# Altium PCB Modbus_PCB1.PcbDoc (part 3 of 3)
Units mm, origin at the board's own origin, x right, y up, seen from the top; angles counter-clockwise.
Board outline 129.7 x 129.9 mm, 4 copper layers (Top Copper, Signal Layer 1, Signal Layer 2, Bottom Copper), stack 1.57 mm thick; 195 components, 139 nets, 570 pads, 260 vias.
Unrouted connection lines stored in the file: 1.
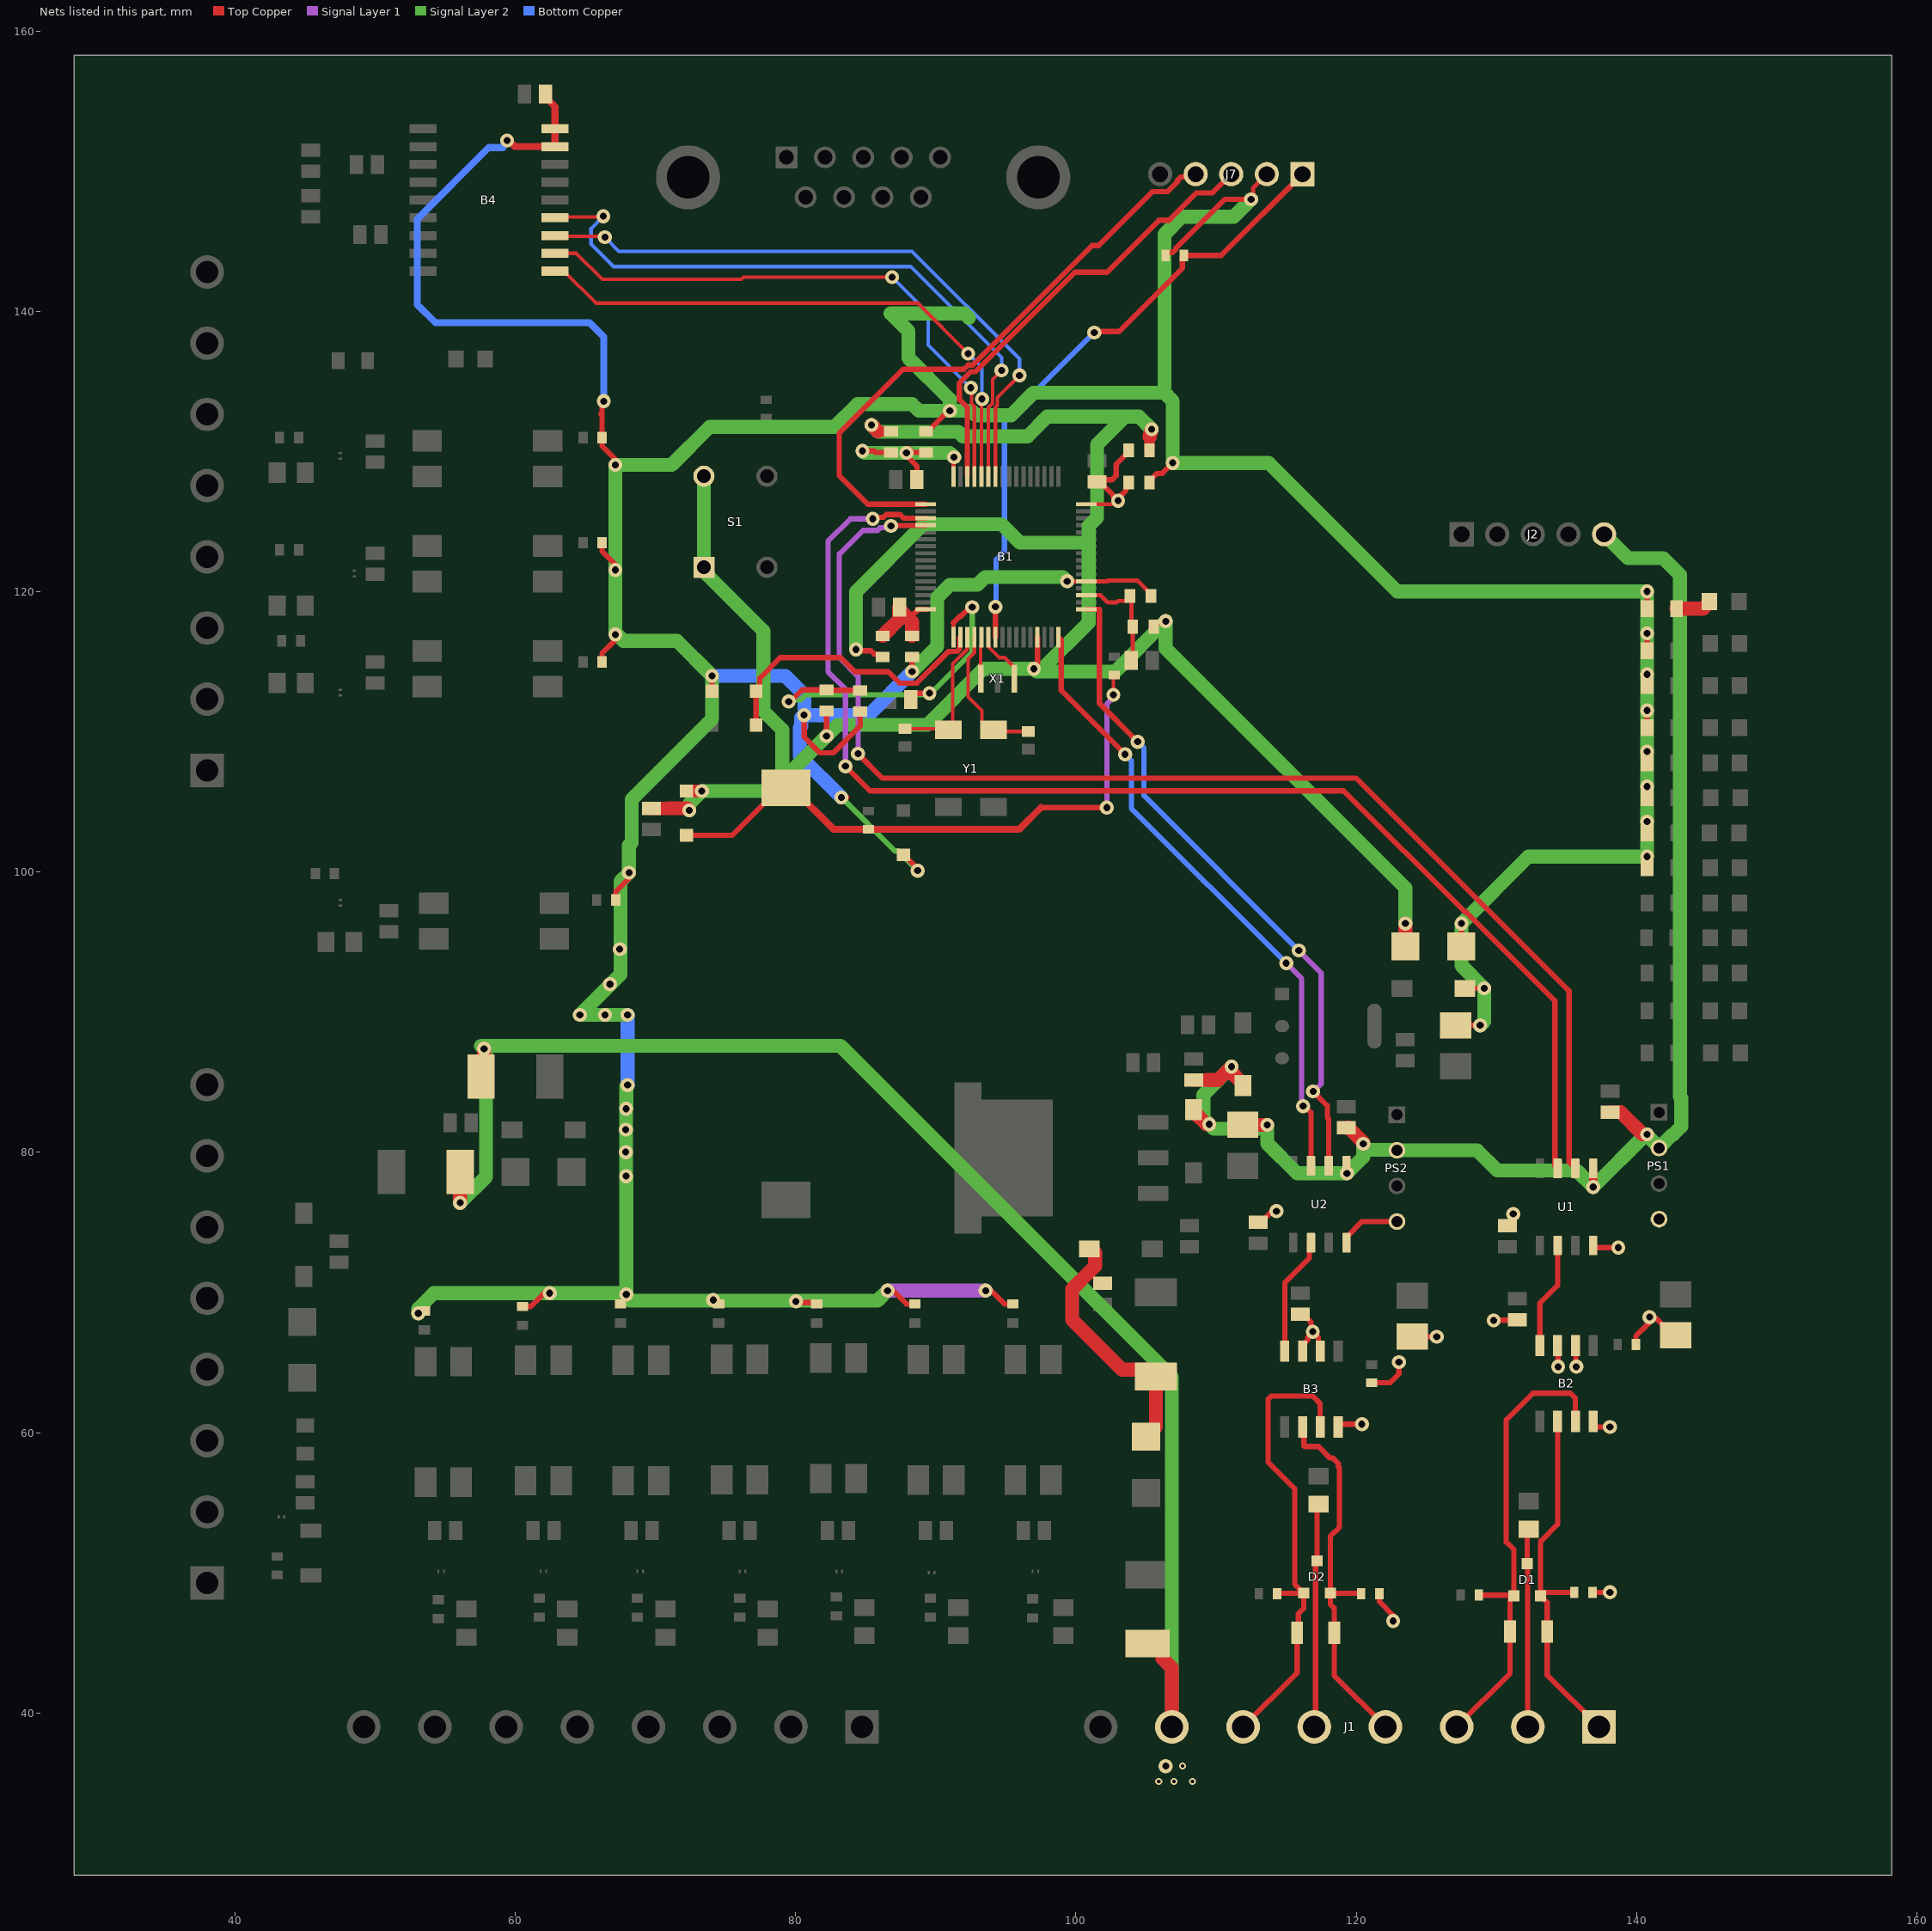
[diagram p5: the nets of this part, all layers, seen from the top]

## Via types
v1: diameter 1, hole 0.5, Top Copper to Bottom Copper, 247 vias
v2: diameter 0.5, hole 0.254, Top Copper to Bottom Copper, 5 vias
v3: diameter 3.2, hole 3.2, Top Copper to Bottom Copper, 4 vias
v4: diameter 5, hole 5, Top Copper to Bottom Copper, 4 vias

## Nets (pads, with @x,y where several pads share a name; then routed paths per layer and width w, separated by ;. In a path a pad name is that pad's centre, name@x,y a point inside that pad or via, vN(x,y) a via of type N, cw(c..) or ccw(c..) an arc to the next point about the centre after c; other vN are vias at no path point) (continued)
NetLED14_2: LED14.2 R72.2 | length 2.6
  Top Copper w1: R72.2@142.85,118.8 144.75,118.8 145.2,119.25 LED14.2@145.2,119.3
NRST: B1.7 J7.1 R57.1 | length 44.7
  Top Copper w0.381: B1.7@94.25,116.762 94.253,116.765 94.253,118.925 v1(94.255,118.927) ; v1(101.3,138.5) 101.372,138.572 103.072,138.572 107.59,143.09 107.59,143.891 R57.1@107.7,144 110.36,144 J7.1@116.16,149.8
  Bottom Copper w0.381: v1(94.255,118.927) 94.3,118.972 94.3,122.3 94.9,122.9 94.9,132.1 v1(101.3,138.5)
OSC32_IN: B1.3 C44.2 Y1.1 | length 10.3
  Top Copper w0.254: C44.2@87.8,110.225 90.825,110.225 Y1.1@90.9,110.15 91.2,110.45 91.2,114.855 92.227,115.882 92.227,116.739 B1.3@92.25,116.762
OSC32_OUT: B1.4 C45.1 Y1.4 | length 10.3
  Top Copper w0.254: B1.4@92.75,116.762 92.75,115.65 92.3,115.2 92.3,112.5 93.277,111.523 93.277,110.673 93.8,110.15 Y1.4@94.1,110.15 94.225,110.025 C45.1@96.6,110.025
OSC_IN: B1.5 X1.1 | length 3
  Top Copper w0.254: X1.1@93.2,113.8 93.2,116.124 93.25,116.174 B1.5@93.25,116.762
OSC_OUT: B1.6 X1.3 | length 4
  Top Copper w0.254: B1.6@93.75,116.762 93.773,116.739 93.773,116.046 94.515,115.304 94.896,115.304 95.6,114.6 X1.3@95.6,113.8
OUTB: B2.4 U1.6 | length 7.7
  Top Copper w0.381: B2.4@133.095,66.212 133.095,69.232 134.365,70.502 U1.6@134.365,73.35
OUTB_1: B3.4 U2.6 | length 8.5
  Top Copper w0.381: B3.4@114.895,65.812 114.895,70.695 116.656,72.456 116.656,73.441 U2.6@116.765,73.55
RS_485_1_A: B3.6 D2.2 J1.4 R9.1 R10.2 | length 27.3
  Top Copper w0.381: B3.6@116.165,60.388 116.269,60.284 116.269,59.054 116.323,59 117.3,59 118.109,58.191 118.311,58.191 118.715,57.786 118.715,57.585 118.8,57.5 118.8,53.252 118.15,52.602 D2.2@118.15,48.555 ; R10.2@120.35,48.5 120.322,48.528 118.178,48.528 D2.2@118.15,48.555 ; J1.4@122.08,39 118.425,42.655 R9.1@118.425,45.7 118.425,47.475 118.15,47.75 D2.2@118.15,48.555
RS_485_1_B: B3.7 D2.1 J1.6 R6.2 R9.2 | length 33.9
  Top Copper w0.381: J1.6@111.92,39 115.775,42.855 R9.2@115.775,45.7 115.869,45.794 115.869,47.071 116.25,47.453 D2.1@116.25,48.555 ; R6.2@114.35,48.5 114.378,48.528 116.223,48.528 D2.1@116.25,48.555 ; B3.7@117.435,60.388 117.417,60.406 117.417,62.082 116.9,62.6 113.923,62.6 113.7,62.377 113.7,57.9 115.6,56 115.6,49.205 D2.1@116.25,48.555
RS_485_1_GND: D2.3 J1.5 R8.1 | length 16
  Top Copper w0.381: J1.5@117,39 117.1,39.1 117.1,50.745 D2.3@117.2,50.845 117.2,54.8 R8.1@117.3,54.9
RS_485_A: B2.6 D1.2 J1.1 R4.1 R5.2 | length 26.5
  Top Copper w0.381: B2.6@134.365,60.788 134.365,53.445 133.15,52.23 D1.2@133.15,48.355 ; R5.2@135.55,48.6 133.395,48.6 D1.2@133.15,48.355 ; J1.1@137.32,39 133.625,42.695 R4.1@133.625,45.8 133.625,47.88 D1.2@133.15,48.355
RS_485_B: B2.7 D1.1 J1.3 R1.2 R4.2 | length 33.9
  Top Copper w0.381: J1.3@127.16,39 130.975,42.815 R4.2@130.975,45.8 130.975,48.08 D1.1@131.25,48.355 131.25,51.65 130.7,52.2 130.7,60.9 132.6,62.8 135.277,62.8 135.635,62.442 B2.7@135.635,60.788 ; R1.2@128.75,48.4 131.05,48.4 131.113,48.338 D1.1@131.113,48.217
RS_485_GND: D1.3 J1.2 R3.1 | length 14.2
  Top Copper w0.381: J1.2@132.24,39 132.22,39.02 132.22,50.625 D1.3@132.2,50.645 132.2,53 R3.1@132.3,53.1
SWCLK: B1.49 J7.4 | length 43.2
  Top Copper w0.381: B1.49@89.262,126.25 85.149,126.25 83.1,128.299 83.1,131.3 87.669,135.869 91.992,135.869 92.306,136.182 92.639,136.182 101.156,144.7 101.6,144.7 105.447,148.547 106.519,148.547 107.253,149.281 107.253,149.375 107.476,149.598 108.338,149.598 J7.4@108.54,149.8
SWDIO: B1.46 J7.3 | length 32.5
  Top Copper w0.381: B1.46@92.25,128.238 92.25,133.16 91.68,133.73 91.68,134.892 92.5,135.713 92.833,135.713 99.932,142.811 102.216,142.811 105.922,146.517 106.653,146.517 108.605,148.47 109.75,148.47 J7.3@111.08,149.8
UART_232_CTS: B1.44 B4.10 | length 41.1
  Top Copper w0.254: B4.10@62.824,142.88 63.461,142.88 65.741,140.6 88.7,140.6 v1(92.3,137) ; B1.44@93.25,128.238 93.25,133.712 v1(93.294,133.756)
  Bottom Copper w0.254: v1(92.3,137) 93.294,136.006 v1(93.294,133.756)
UART_232_RTS: B1.45 B4.11 | length 41.5
  Top Copper w0.254: B4.11@62.824,144.15 64.35,144.15 66.2,142.3 76.123,142.3 76.275,142.453 v1(86.873,142.453) ; v1(92.497,134.553) 92.54,134.51 92.54,133.444 92.75,133.234 B1.45@92.75,128.238
  Bottom Copper w0.254: v1(86.873,142.453) 89.449,139.877 89.449,137.602 v1(92.497,134.553)
UART_232_RXD: B1.43 B4.13 | length 47.4
  Top Copper w0.254: B4.13@62.824,146.69 62.879,146.745 66.22,146.745 v1(66.275,146.8) ; B1.43@93.75,128.238 93.75,133.146 94.048,133.444 94.048,135.159 v1(94.687,135.799)
  Bottom Copper w0.254: v1(66.275,146.8) 65.4,145.925 65.4,144.8 66.993,143.207 88.193,143.207 94.687,136.713 v1(94.687,135.799)
UART_232_TXD: B1.42 B4.12 | length 45.9
  Top Copper w0.254: B4.12@62.824,145.42 62.884,145.36 66.325,145.36 v1(66.385,145.3) ; B1.42@94.25,128.238 94.25,133.161 94.391,133.302 94.391,133.863 v1(95.967,135.439)
  Bottom Copper w0.254: v1(66.385,145.3) 67.385,144.3 88.3,144.3 95.967,136.633 95.967,136.132 v1(95.967,135.439)
UART_485_1_RX: B1.17 U2.2 | length 47.9
  Top Copper w0.381: B1.17@100.738,118.75 101.666,118.75 101.666,112.034 v1(104.4,109.3) ; v1(116.918,84.346) 117.934,83.33 117.934,82.489 118.035,82.388 U2.2@118.035,79.05
  Signal Layer 1 w0.381: v1(115.9,94.4) 117.5,92.8 117.5,84.879 116.967,84.346 v1(116.918,84.346)
  Bottom Copper w0.381: v1(104.4,109.3) 104.85,108.85 104.85,105.45 v1(115.9,94.4)
UART_485_1_TX: B1.16 U2.3 | length 45.2
  Top Copper w0.381: B1.16@98.75,116.762 98.941,116.571 98.941,112.963 v1(103.502,108.402) ; v1(116.203,83.297) 116.303,83.297 116.765,82.835 U2.3@116.765,79.05
  Signal Layer 1 w0.381: v1(115.002,93.502) 116.101,92.403 116.101,83.399 v1(116.203,83.297)
  Bottom Copper w0.381: v1(103.502,108.402) 103.952,107.952 103.952,104.552 v1(115.002,93.502)
UART_485_RX: B1.52 U1.2 | length 92.4
  Top Copper w0.381: v1(84.448,108.448) 86.198,106.698 119.998,106.698 135.182,91.514 135.182,79.302 U1.2@135.635,78.85 ; v1(86.803,124.697) 86.83,124.723 89.235,124.723 B1.52@89.262,124.75
  Signal Layer 1 w0.381: v1(84.448,108.448) 84.448,113.952 83.109,115.291 83.109,122.687 84.805,124.382 85.839,124.382 86.035,124.578 86.685,124.578 v1(86.803,124.697)
UART_485_TX: B1.51 U1.3 | length 94
  Top Copper w0.381: v1(83.55,107.55) 85.3,105.8 119.1,105.8 127.755,97.145 127.839,97.145 134.174,90.809 134.174,79.04 U1.3@134.365,78.85 ; v1(85.5,125.2) 85.618,125.318 86.268,125.318 86.464,125.514 87.458,125.514 87.722,125.25 B1.51@89.262,125.25
  Signal Layer 1 w0.381: v1(83.55,107.55) 83.55,113.054 82.302,114.302 82.302,123.598 83.904,125.2 v1(85.5,125.2)
VBAT: B17.1 D18.1 R46.1 R73.1 | length 42.9
  Top Copper w0.254: v1(102.667,112.649) 102.667,114.006 R73.1@102.718,114.056
  Top Copper w0.381: D18.1@72.2,102.625 75.475,102.625 78.85,106 B17.1@79.3,106 ; 97.5,104.6 v1(102.2,104.6)
  Top Copper w0.5: B17.1@79.3,106 79.75,106 82.7,103.05 R46.1@85.2,103.05 95.95,103.05 97.5,104.6
  Signal Layer 1 w0.254: v1@102.667,112.447 v1(102.667,112.649)
  Signal Layer 1 w0.382: v1(102.2,104.6) 102.2,111.98 v1@102.667,112.447
VCC3V3: B1.21 B4.17 B4.18 C11.2 C34.1 D19.2 D20.1 D22.1 FB6.2 J7.2 R13.2 R16.2 R18.2 R20.2 R22.2 R24.2 R26.2 R28.2 R30.2 R32.2 R34.2 R47.1 R48.1 R49.1 R53.1 R54.1 R57.2 R65.1 R66.1 R67.1 R68.1 R69.1 R70.1 R71.1 R72.1 | length 431.2
  Top Copper w0.3: v1@99.796,120.75 102.233,120.75 102.28,120.797 104.378,120.797 104.425,120.75 105.35,119.825 R53.1@105.35,119.7 ; v1(112.5,148) 112.634,148.134 112.634,148.814 J7.2@113.62,149.8
  Top Copper w0.381: v1(53.069,68.513) 53.233,68.677 R24.2@53.5,68.677 ; R20.2@60.5,69 61.094,69 62.043,69.949 v1(62.448,69.949) ; R30.2@66.177,115 66.177,115.594 67.126,116.543 v1(67.126,116.948) ; R34.2@66.177,123.5 66.177,122.906 67.126,121.957 v1(67.126,121.552) ; v1(66.3,133.6) 66.182,133.482 66.182,132.782 66.1,132.7 66.177,132.623 R32.2@66.177,131 66.177,130.406 67.126,129.457 v1(67.126,129.052) ; R28.2@67.155,98 67.155,98.594 68.104,99.543 v1(68.104,99.948) ; R18.2@67.5,69.177 67.577,69.177 67.716,69.316 67.716,69.495 67.915,69.695 v1(67.915,69.862) ; D20.1@74.025,112.9 v1(74.025,114.002) ; R13.2@74.1,69.4 74.1,69.5 74.115,69.485 v1(74.115,69.462) ; v1(80.015,69.362) 80.108,69.27 81.407,69.27 R26.2@81.5,69.177 ; v1(80.6,111.2) 80.6,109.616 81.707,108.51 82.693,108.51 84.6,110.416 R47.1@84.6,111.45 ; v1(83.258,105.326) v1@83.65,105.326 ; v1(86.552,70.126) 86.957,70.126 87.906,69.177 R22.2@88.5,69.177 ; D22.1@87.7,101.225 87.725,101.225 88.7,100.25 v1(88.7,100.1) ; v1(88.3,114.3) R49.1@88.3,115.35 ; R54.1@89.3,131.45 89.425,131.45 90.886,132.911 v1(91,132.911) ; v1(93.552,70.126) 93.957,70.126 94.906,69.177 R16.2@95.5,69.177 ; v1(99.374,120.75) v1@99.796,120.75 ; R48.1@105.25,127.8 105.25,127.925 105.767,128.442 106.142,128.442 v1(106.9,129.2) ; R57.2@106.4,144 106.4,144.1 106.509,144.21 106.897,144.21 107.121,144.433 107.121,144.516 110.605,148 v1(112.5,148) ; C34.1@127.1,89.06 v1(128.842,89.06) ; D19.2@127.5,94.7 v1(127.5,96.327) ; FB6.2@127.75,91.7 v1(129.127,91.7) ; R65.1@140.75,100.3 v1(140.75,101.103) ; R66.1@140.75,102.8 v1(140.75,103.603) ; R67.1@140.75,105.3 v1(140.75,106.103) ; R68.1@140.75,107.8 v1(140.75,108.603) ; R69.1@140.75,110.3 v1(140.75,111.527) ; R70.1@140.75,113.3 v1(140.75,114.103) ; R71.1@140.75,115.8 v1(140.75,117.027) ; R72.1@140.75,118.8 v1(140.75,120.027)
  Top Copper w0.5: v1(59.4,152.2) 59.535,152.2 59.965,151.77 B4.17@62.824,151.77 B4.18@62.824,153.04 62.824,154.626 62.15,155.3 C11.2@62.15,155.5
  Signal Layer 1 w1: v1(86.552,70.126) v1(93.552,70.126)
  Signal Layer 2 w0.381: v1(83.258,105.326) 87.083,101.5 87.3,101.5 v1(88.7,100.1)
  Signal Layer 2 w1: v1(53.069,68.513) 53.069,68.841 54.177,69.949 v1(62.448,69.949) 67.62,69.949 68.156,69.413 85.839,69.413 v1(86.552,70.126) ; v1(67.915,69.862) 67.915,78.285 v1(67.9,78.3) v1(67.9,83.1) 67.915,83.115 67.915,84.715 v1(68,84.8) ; v1(68,89.8) v1(66.4,89.8) v1(64.6,89.8) 67.5,92.7 67.5,99.344 v1(68.104,99.948) 68.104,101.904 68.3,102.1 68.3,105.189 74.025,110.914 v1(74.025,114.002) 71.527,116.5 67.711,116.5 67.126,117.086 v1(67.126,121.552) v1(67.126,129.052) 71.152,129.052 73.864,131.764 82.764,131.764 84.4,133.4 88.3,133.4 88.789,132.911 v1(91,132.911) ; v1(88.3,114.3) 90.1,116.1 90.1,119.594 91.002,120.496 92.967,120.496 93.525,121.054 99.069,121.054 v1(99.374,120.75) ; 92.351,139.561 92.047,139.866 86.77,139.866 88.04,138.596 88.04,136.686 91,133.726 v1(91,132.911) ; v1(112.5,148) 111.257,146.757 107.557,146.757 106.314,145.514 106.314,134.2 ; v1(128.842,89.06) 129.127,89.345 v1(129.127,91.7) 127.5,93.327 v1(127.5,96.327) 132.276,101.103 v1(140.75,101.103) v1(140.75,103.603) v1(140.75,106.103) v1(140.75,108.603) v1(140.75,111.527) v1(140.75,114.103) v1(140.75,117.027) v1(140.75,120.027) 122.92,120.027 113.747,129.2 v1(106.9,129.2) 106.9,133.614 106.314,134.2 ; v1(91,132.911) 92.546,132.911 92.857,132.6 95.365,132.6 96.965,134.2 106.314,134.2
  Bottom Copper w0.5: v1(59.4,152.2) 59.4,152.065 59.107,151.772 59.107,151.7 58.1,151.7 53,146.6 53,140.5 54.3,139.2 65.3,139.2 66.3,138.2 v1(66.3,133.6)
  Bottom Copper w1: v1(68,84.8) v1(68,89.8) ; v1(74.025,114.002) 79.258,114.002 80.627,112.633 80.627,111.227 v1(80.6,111.2) ; v1(83.258,105.326) 80.3,108.283 80.3,110.3 80.4,110.4 80.4,111 v1(80.6,111.2) ; v1(88.3,114.3) 85.2,111.2 v1(80.6,111.2)
  other v1: 67.873,80.013 67.873,81.613 66.745,91.998 67.445,94.498
VCC3V3_MCU: B1.13 C38.2 D18.2 D19.1 R50.1 R51.1 R52.1 R55.1 R56.1 S1.1 S1.2 | length 173.6
  Top Copper w0.381: v1(82.2,109.7) R50.1@82.2,111.5 ; v1(84.3,115.886) 84.396,115.791 85.371,115.791 85.562,115.6 85.571,115.6 85.637,115.534 86.016,115.534 R52.1@86.2,115.35 ; R55.1@105.55,117.5 105.55,117.597 105.735,117.782 106.282,117.782 v1(106.4,117.9)
  Top Copper w0.382: v1(97,114.5) 97,114.667 97.25,114.917 B1.13@97.25,116.762
  Top Copper w0.75: 85.856,131.45 R56.1@86.8,131.45 ; R51.1@105.25,130.1 105.25,131.044
  Top Copper w0.9: D18.2@72.2,105.775 v1(73.302,105.775)
  Top Copper w0.95: C38.2@69.7,104.55 70.881,104.55
  Top Copper w1: 70.881,104.55 72.25,104.55 v1(72.4,104.4) ; v1(85.4,131.9) 85.406,131.9 85.856,131.45 ; 105.25,131.044 v1(105.4,131.6) ; D19.1@123.5,94.7 v1(123.5,96.327)
  Signal Layer 2 w1: v1(72.4,104.4) 72.4,104.873 v1(73.302,105.775) 77.875,105.775 79.05,106.95 ; S1.2@73.45,128.25 S1.1@73.45,121.75 73.45,121.613 73.704,121.359 73.704,121.196 77.7,117.2 77.7,111.5 79.05,110.15 79.05,106.95 ; v1(84.3,115.886) 84.3,120 89.127,124.827 94.673,124.827 96,123.5 100.9,123.5 ; v1(85.4,131.9) 85.889,131.411 91.61,131.411 91.921,131.1 96.551,131.1 97.951,132.5 103.5,132.5 ; v1@97.2,114.3 102.8,114.3 v1(106.4,117.9) 106.4,115.963 123.5,98.864 v1(123.5,96.327) ; v1(105.4,131.6) 104.5,132.5 103.5,132.5 ; 79.05,106.95 79.45,106.95 v1(82.2,109.7) 83,110.5 89.4,110.5 93.4,114.5 v1(97,114.5) 97.6,114.5 100.9,117.8 100.9,123.5 ; 100.9,123.5 100.9,124.7 101.5,125.3 101.5,130.5 103.5,132.5
VCC5: C3.2 C7.2 C29.1 C35.2 FB1.2 FB5.1 J2.5 PS1.2 PS2.2 U1.1 U2.1 | length 107.1
  Top Copper w0.6: U2.1@119.305,79.05 119.305,78.53 v1(119.335,78.5) ; v1(136.905,77.523) U1.1@136.905,78.85
  Top Copper w0.95: C35.2@108.4,85.15 109.358,85.15 ; C3.2@138.1,82.85 138.871,82.85
  Top Copper w1: FB1.2@108.4,83.05 108.4,82.9 109.3,82 v1(109.5,82) ; 109.358,85.15 110.14,85.15 v1(111.101,86.111) 111.101,85.699 111.8,85 111.8,84.85 FB5.1@111.9,84.75 ; C29.1@111.9,81.96 v1(113.642,81.96) ; C7.2@119.3,81.75 119.45,81.75 120.5,80.7 v1(120.5,80.6) ; 138.871,82.85 140.441,81.28 v1(140.755,81.28)
  Signal Layer 2 w1: v1(111.101,86.111) 109.086,84.096 109.086,82.414 109.827,81.673 113.355,81.673 v1(113.642,81.96) 113.642,80.636 115.778,78.5 v1(119.335,78.5) 120.5,79.665 v1(120.5,80.6) ; 120.924,80.176 122.864,80.176 PS2.2@122.9,80.14 128.62,80.14 130.06,78.7 135.728,78.7 v1(136.905,77.523) 140.662,81.28 v1(140.755,81.28) 140.755,81.206 141.6,80.361 PS1.2@141.6,80.31 ; J2.5@137.68,124.1 139.38,122.4 141.9,122.4 143.1,121.2 143.1,83.954 143.195,83.859 143.195,81.841 142.609,81.255 142.545,81.255 PS1.2@141.636,80.346
VCC5_ISO1: B2.2 B2.3 B2.8 C1.2 C2.1 C4.2 PS1.4 R2.2 R5.1 U1.8 | length 15.3
  Top Copper w0.381: v1(129.8,68) 129.825,68.025 131.475,68.025 C4.2@131.5,68.05 ; C1.2@130.8,74.75 130.916,74.75 131.2,75.034 v1(131.2,75.6) ; B2.3@134.365,66.212 134.383,66.194 134.383,64.718 v1(134.4,64.7) ; B2.2@135.635,66.212 135.667,66.179 135.667,64.733 v1(135.7,64.7) ; R5.1@136.85,48.6 v1(138.1,48.6) ; B2.8@136.905,60.788 136.905,60.534 137.04,60.4 v1(138.1,60.4) ; U1.8@136.905,73.35 136.905,73.309 137.015,73.2 v1(138.7,73.2) ; R2.2@139.95,66.3 139.95,66.875 140.926,67.85 v1(140.926,68.242) 141.044,68.124 141.436,68.124 142.62,66.94 C2.1@142.8,66.94
VCC5_ISO2: B3.2 B3.3 B3.8 C5.2 C6.1 C8.2 PS2.4 R7.2 R10.1 U2.8 | length 20.1
  Top Copper w0.381: C5.2@113,75 113.2,75 113.882,75.682 114.182,75.682 v1(114.3,75.8) ; C8.2@116,68.45 116.2,68.45 116.782,67.868 116.782,67.318 v1(116.9,67.2) ; B3.3@116.165,65.812 116.165,66.249 116.539,66.623 116.539,66.811 116.9,67.173 v1(116.9,67.2) ; B3.2@117.435,65.812 117.301,65.947 117.301,66.799 v1(116.9,67.2) ; B3.8@118.705,60.388 118.705,60.466 118.84,60.6 v1(120.4,60.6) ; U2.8@119.305,73.533 U2.8@119.305,73.55 119.305,73.95 120.415,75.06 PS2.4@122.9,75.06 ; R7.2@121.1,63.55 122.413,63.55 123.042,64.18 v1(123.042,65.024) ; R10.1@121.65,48.5 121.65,47.925 122.626,46.95 v1(122.626,46.558) ; C6.1@124,66.84 v1(125.742,66.84)
VCC12: F1.1 F2.1 F3.1 J1.7 | length 107.5
  Top Copper w1: v1(56.051,76.398) F1.1@56.051,78.6 ; F2.1@57.549,85.4 57.758,85.609 v1(57.758,87.393) ; F3.1@105.1,44.949 105.697,44.949 106.175,44.471 106.175,43.874 106.84,43.209 J1.7@106.84,39
  Signal Layer 2 w1: v1(56.051,76.398) 57.9,78.247 57.9,87.251 57.549,87.602 83.198,87.602 106.84,63.96 J1.7@106.84,39
  other v1: 106.4,36.2
  other v2: 105.9,35.1 107,35.1 108.3,35.1 107.6,36.2
VCC12_FUSED: C30.2 C31.2 D17.1 FB2.1 | length 19.6
  Top Copper w0.254: 100.939,71.461 100.939,71.411 101.7,70.65 C31.2@101.9,70.65
  Top Copper w1: FB2.1@100.95,73.1 101.1,73.1 101.368,72.832 101.368,71.889 100.939,71.461 99.725,70.246 99.725,68.054 103.279,64.5 105.2,64.5 C30.2@105.7,64 105.7,60.4 D17.1@105,59.7
VDD1: B1.1 C39.2 R47.2 R50.2 | length 27.9
  Top Copper w0.3: B1.1@91.25,116.762 91.25,117.782
  Top Copper w0.381: v1(79.5,112.166) 79.618,112.166 80.451,113 81.891,113 82.075,113.184 82.2,113.184 82.41,112.975 84.575,112.975 R47.2@84.6,112.95 ; C39.2@88.2,112.3 88.2,112.476 88.485,112.761 v1(89.539,112.761) ; 91.25,117.782 91.71,118.243 91.775,118.243 92.432,118.9 v1(92.6,118.9)
  Signal Layer 2 w0.381: v1(79.5,112.166) 79.618,112.285 80.364,112.285 80.729,112.649 89.428,112.649 v1(89.539,112.761) ; v1@89.55,112.649 92.6,115.7 v1(92.6,118.9)
VDD2: B1.19 C40.2 R53.2 R55.2 | length 8.3
  Top Copper w0.3: B1.19@100.738,119.75 101.751,119.75 102.259,119.243 102.888,119.243 102.995,119.35 103.625,119.35 103.85,119.575 R53.2@103.85,119.7 103.95,119.6 103.95,117.6 R55.2@104.05,117.5 104.05,115.2 C40.2@103.95,115.1
VDD3: B1.32 C41.2 R48.2 R51.2 | length 9.7
  Top Copper w0.254: B1.32@100.738,126.25 102.548,126.25 102.798,126.5 v1(103,126.5)
  Top Copper w0.381: C41.2@101.5,127.85 C41.2@101.7,127.85 ; v1@102.633,126.8 v1@102.75,126.8 ; R48.2@103.75,127.8 103.566,127.615 103.566,127.233 103,126.668 v1(103,126.5) 103,126.55 v1@102.75,126.8 ; R51.2@103.75,130.1 103.75,129.975 102.866,129.091 102.866,128.289 102.577,128 101.85,128 C41.2@101.7,127.85 ; C41.2@101.7,127.85 102.254,127.296 102.254,127.292 102.464,127.082 102.468,127.082 v1@102.75,126.8
VDD4: B1.64 C43.2 R49.2 R52.2 | length 6.5
  Top Copper w0.381: 88.3,117.85 88.3,118.294 88.756,118.75 B1.64@89.262,118.75
  Top Copper w1: R52.2@86.2,116.85 87.375,118.025 C43.2@87.375,118.775 ; C43.2@87.4,118.9 87.375,118.875 C43.2@87.375,118.775 ; R49.2@88.3,116.85 88.3,117.85 C43.2@87.375,118.775
VDDIO: B1.48 C42.2 R54.2 R56.2 | length 14.2
  Top Copper w0.3: B1.48@91.25,128.238 91.25,129.55 v1(91.3,129.6)
  Top Copper w0.381: v1(84.758,130.048) 85.588,130.048 85.686,129.95 R56.2@86.8,129.95 ; C42.2@88.65,128 88.65,128.963 87.9,129.713 87.9,130.217 88.068,130.217 88.335,129.95 R54.2@89.3,129.95
  Signal Layer 2 w1: v1(84.758,130.048) 84.895,129.911 90.989,129.911 v1(91.3,129.6)
  other v1: 87.9,129.911
WakeUP: B1.2 D20.2 D21.2 | length 20.9
  Top Copper w0.381: D21.2@77.175,110.5 D20.2@77.175,112.9 77.434,113.159 77.434,113.835 78.9,115.3 83.202,115.3 84.218,114.284 86.616,114.284 87.418,113.482 88.639,113.482 90.901,115.745 91.516,115.745 91.679,115.909 91.679,116.016 91.71,116.046 91.71,116.721 B1.2@91.75,116.762
pads on no net: B1.9 B1.10 B1.11 B1.50 B1.53 B1.58 B1.59 B1.60 B1.61 B1.62 B16.5 B16.6 J3.7 J3.8 J4.8 J6.MH1 J6.MH2 Y1.2 Y1.3
copper on no net:
  other v3: 122.6,123.6 144.6,123.6 122.6,153.6 144.6,153.6
  other v4: 33.3,33.4 153.3,33.4 33.3,153.4 153.4,153.4

## Polygon pours and split planes (outlines as drawn)
GND on Signal Layer 1 "GND_L02_P037" (solid, remove dead copper, pour order 37): 28.5,158.3 28.5,140.3 41.8,140.3 41.8,139.4 48.7,132.5 57.5,132.5 57.5,132.4 58.6,131.3 58.6,89.6 58.5,89.6 39.2,70.3 28.6,70.3 28.6,28.4 28.7,28.5 42.9,28.5 42.9,43 47.6,47.7 47.6,59.4 50.4,62.2 50.4,62.5 102.3,62.5 102.3,44.7 100.5,42.9 100.5,28.4 107.1,28.4 106.9,28.6 106.9,72.9 111.6,77.6 119.3,77.6 121.4,79.7 128.2,79.7 129.8,78.1 138.2,78.1 141.2,81.1 141.3,81 158.2,81 158.2,158.3
GND on Signal Layer 1 "GND_L02_P041" (solid, remove dead copper, pour order 41): 39.4,113.7 39.4,110.8 28.5,110.8 28.5,113.5 28.4,113.6
GND on Signal Layer 1 "GND_L02_P040" (solid, remove dead copper, pour order 40): 39.1,134.2 39.1,131.3 31.7,131.3 31.7,134.2
GND on Signal Layer 1 "GND_L02_P039" (solid, pour order 39): 28.6,142.7 28.6,125.2 28.6,111 33.2,111 33.2,142.5 33,142.7
Digital_GND on Signal Layer 1 "DIGITAL_GND_L02_P015" (solid, pour order 15): 45,33.3 90.4,33.3 100.4,43.3 100.4,60.5 51.1,60.5 51,60.6 49.6,59.2 49.6,47.1 45,42.5
GND_ISO1 on Signal Layer 1 "GND_ISO1_L02_P012" (solid, pour order 12): 125.7,34.1 125.7,51.3 129.5,55.1 129.5,76.4 129.6,76.5 139.5,76.5 142,79 146.1,79 146.1,48 140.8,42.7 140.8,34.1
GND_ISO2 on Signal Layer 1 "GND_ISO2_L02_P010" (solid, pour order 10): 110.9,34.2 110.9,73.9 113.4,76.4 120.6,76.4 123.1,78.9 127.4,78.9 127.4,56.2 123.7,52.5 123.7,34.1
VCC12 on Signal Layer 1 "VCC12_L02_P005" (solid, pour order 5): 104.2,42.8 109,42.8 109.1,42.7 109,42.6 109,34.1 104.4,34.1 104.2,34.3
GND on Signal Layer 1 "GND_L02_P000" (solid, pour order 0): 97.9,34.1 98,34 104.2,34 104.2,42.8 104.1,42.9 104,42.8 97.8,42.8
GND on Top Copper "GND_L01_P042" (solid, remove dead copper, pour order 42): 28.5,158.3 28.5,140.2 28.6,140.3 40.8,140.3 48.6,132.5 57.5,132.5 58.6,131.4 58.6,89.6 58.4,89.6 39.2,70.4 28.5,70.4 28.5,28.5 28.6,28.4 43,28.4 43,43.1 47.6,47.7 47.6,59.6 47.9,59.6 50.8,62.5 102.3,62.5 102.3,46 101.3,45 101.3,43.6 100.5,42.8 100.5,28.3 106.9,28.3 106.9,73 111.5,77.6 119.3,77.6 121.3,79.6 128.3,79.6 129.7,78.2 138.2,78.2 141,81 158.2,81 158.2,158.2
GND on Top Copper "GND_L01_P016" (solid, pour order 16): 93.8,86.8 100.2,86.8 100.2,85.6 98.3,83.7 93.8,83.7
VCC12 on Top Copper "VCC12_L01_P004" (solid, pour order 4): 104.2,34.1 104.1,34.2 104.1,42.8 108.9,42.8 109,42.7 109,34.1
GND on Top Copper "GND_L01_P001" (solid, pour order 1): 97.8,42.8 104.1,42.8 104.2,42.7 104.2,34.1 97.8,34.1
GND on Signal Layer 2 "GND_L03_P031" (solid, remove dead copper, pour order 31): 28.6,158.2 28.6,140.2 28.7,140.3 41.9,140.3 41.9,139.4 48.8,132.5 57.6,132.5 58.6,131.5 58.6,89.7 39.2,70.3 28.5,70.3 28.5,28.3 42.9,28.3 42.9,43 47.6,47.7 47.6,59.7 50.4,62.5 102.3,62.5 102.3,42.8 107,42.8 107,73 111.7,77.7 119.4,77.7 121.9,80.2 127.3,80.2 129.8,77.7 137.8,77.7 139.8,79.7 158.1,79.7 158.1,158.3 158,158.4
VCC3V3 on Signal Layer 2 "VCC3V3_L03_P027" (solid, remove dead copper, pour order 27): 71.2,89.1 61.8,89.1 61.5,89.4 61.5,129.6 78.3,146.4 107.8,146.4 133.5,120.7 141.1,120.7 141.1,100.3 133,92.2 133,87.8 126.7,87.8 126.5,88 126.5,115.3 113.7,128.1 107.5,128.1 106,129.6 106,134.1 97.5,134.1 96.5,133.1 96.4,133.2 84.2,133.2 82.5,131.5 74.6,131.5 74.6,131.1 71.2,127.7 71.2,116.8 71.5,116.8 74.3,114 74.025,113.725 74.025,108.225 71.4,105.6 71.4,92.6
VCC3V3_MCU on Signal Layer 2 "VCC3V3_MCU_L03_P030" (solid, remove dead copper, pour order 30): 72.755,128.25 72.755,119.245 75.8,116.2 75.8,105.775 73.302,105.775 73.302,104.747 72.355,103.8 72.755,103.4 86.5,103.4 97.7,114.6 107.8,114.6 107.8,114.563 123.5,98.864 123.5,96.327 125.173,96.327 125.2,96.3 125.4,96.5 125.4,102.9 122,102.9 106.6,118.3 103.8,115.5 101.2,115.5 100.1,116.6 100.8,117.3 100.8,125 101.6,125.8 101.6,130.3 104.473,130.3 105.753,131.58 104.5,132.834 104.5,132.9 97.205,132.9 95.716,131.411 84.711,131.411 81.55,128.25
VCC5 on Signal Layer 2 "VCC5_L03_P029" (solid, remove dead copper, pour order 29): 136.3,121.4 136.3,127.3 136.4,127.4 158,127.4 158,81 140.9,81 138,78.1 129.8,78.1 128.2,79.7 121,79.7 121,79.3 119.3,77.6 112.3,77.6 108.1,81.8 108.3,82 108.3,85.386 111.014,88.1 122.1,88.1 125.4,84.8 132.6,84.8 143.1,95.3 143.1,120.6 141.5,122.2 140.6,121.3 137.1,121.3
VCC3V3 on Signal Layer 2 "VCC3V3_L03_P028" (solid, remove dead copper, pour order 28): 100.2,121.6 89.8,121.6 87.7,119.5 87.7,113.1 88.8,113.1 91.8,116.1 91.8,118.8 92.8,119.8 100.1,119.8
VCC3V3 on Signal Layer 2 "VCC3V3_L03_P025" (solid, remove dead copper, pour order 25): 51.2,67.1 86.1,67.1 88.5,69.5 88.5,74.5 78,85 63.2,85 63,84.8 63,78.1 62.8,78.1 56,71.3 51.2,71.3
VCC12 on Signal Layer 2 "VCC12_L03_P024" (solid, remove dead copper, pour order 24): 105.2,42.6 105.2,61.5 105.1,61.6 105.1,62.3 81.4,86 61.4,86 61.4,80.2 56.5,75.3 54.2,75.3 53.9,75.6 53.9,79.3 56.4,81.8 56.4,88.1 86.1,88.1 109,65.2 109,42.8
VCC5_ISO1 on Signal Layer 2 "VCC5_ISO1_L03_P013" (solid, pour order 13): 125.7,34.1 125.7,51.3 129.5,55.1 129.5,76.4 139.6,76.4 142,78.8 142,79 146,79 146,47.9 145.9,47.9 140.9,42.9 140.9,34.1
VCC5_ISO2 on Signal Layer 2 "VCC5_ISO2_L03_P011" (solid, pour order 11): 110.9,34 110.9,73.9 113.5,76.5 120.5,76.5 122.8,78.8 127.3,78.8 127.4,78.7 127.4,56.2 123.7,52.5 123.7,34.1
VCC12 on Signal Layer 2 "VCC12_L03_P006" (solid, pour order 6): 104.2,42.7 104.3,42.8 109,42.8 109,34 108.9,34.1 104.2,34.1
GND on Signal Layer 2 "GND_L03_P002" (solid, pour order 2): 97.9,42.8 98,42.7 104.2,42.7 104.2,34.1 97.8,34.1
GND on Bottom Copper "GND_L04_P036" (solid, remove dead copper, pour order 36): 28.5,158.3 28.5,146.8 41.8,146.8 42,146.6 42,133.5 58.5,133.5 59.5,132.5 59.5,91 39,70.5 28.5,70.5 28.5,28.5 42.9,28.5 42.9,43 47.5,47.6 47.5,59.5 50.5,62.5 102.5,62.5 102.5,45 100.5,43 100.5,28.5 107.5,28.5 107,29 107,73 112.5,78.5 119.5,78.5 121.5,80.5 128.5,80.5 130.5,78.5 138.5,78.5 141,81 158,81 158.1,81.1 158.1,158.3
GND on Bottom Copper "GND_L04_P003" (solid, pour order 3): 97.9,42.7 104.2,42.7 104.2,34 97.8,34
VCC3V3 on Bottom Copper "VCC3V3_L04_P035" (solid, remove dead copper, pour order 35): 73,115 83,115 85.5,112.5 88,115 89.5,115 89.5,114 86.5,111 81.5,111 81.5,108.5 84,106 84,104.5 80,104.5 73,111.5 73,114.5
VCC3V3 on Bottom Copper "VCC3V3_L04_P026" (solid, remove dead copper, pour order 26): 64.6,100.3 69.7,100.3 69.7,76.7 69.5,76.5 69.4,76.6 64.7,76.6
VCC12 on Bottom Copper "VCC12_L04_P007" (solid, pour order 7): 104.2,42.7 109,42.7 109,34 104.2,34

## Keep-outs
Keep-Out Layer:
  the board outline again, w0.254

## Other copper
Top Copper:
  pour cut-out: 86.5,108.975 86.5,112.3 87.8,112.3 91.8,116.3 91.8,118.5 92.4,119.1 92.573,118.927 94.255,118.927 94.255,116.255 94.2,116.2 97.5,112.9 97.5,109.001
Signal Layer 1:
  pour cut-out: 100.7,44.8 95.4,44.8 95.4,36.9 97.8,36.9 97.8,42.8 100.6,42.8 100.7,42.9

## Silkscreen, mask and mechanical layers (free items; w line width, h text height)
Top Overlay:
  circle w0.254: c79.2,91.3 r10.565
  circle w0.254: c33.3,153.4 r3.314
  circle w0.254: c153.4,153.4 r3.306
  circle w0.254: c153.3,33.4 r3.302
  circle w0.254: c33.3,33.4 r3.302
  lines w0.254: 28.5,45.5 33,45.5 ; 28.5,52 33,52 ; 28.5,57 33,57 ; 28.5,62 33,62 ; 28.5,67 33,67 ; 28.5,71.5 38,71.5 58.5,92 58.5,131.5 57.5,132.5 41.9,132.5 ; 28.5,77 33,77 ; 28.5,82.5 33,82.5 ; 28.5,89 33,89 ; 28.5,115 33,115 ; 28.5,125.3 32.9,125.3 ; 28.5,130 33,130 ; 28.5,134.9 33.2,134.9 ; 28.6,104.5 28.7,104.4 33,104.4 ; 28.6,110 33.2,110 ; 28.6,120 33,120 ; 28.6,145.6 33,145.6 ; 28.7,140.2 33.1,140.2 ; 38.078,93.3 43.465,93.3 ; 45,33.5 45,42.5 49.5,47 49.5,59 51,60.5 100.5,60.5 100.5,42.9 ; 46,28.5 46,33.4 ; 47.1,30.8 50,30.8 ; 47.7,30.3 49.4,30.3 ; 48.3,29.7 48.8,29.7 ; 49,60.5 50,60.5 ; 50,62 50,60.5 ; 51.2,28.3 51.2,33.4 ; 52.5,73.5 49,73.5 49,61.5 50,60.5 ; 56.8,28.4 56.8,33.3 ; 61.8,28.5 61.8,33.3 ; 66.9,28.5 66.9,33.3 ; 70.2,119 81.2,119 ; 72.1,28.5 72.1,33.4 ; 77.3,28.4 77.3,33.3 ; 82.3,28.4 82.3,33.3 ; 87.4,28.5 87.4,33.3 ; 98.3,28.4 98.3,33.4 ; 103.9,28.4 103.9,33.3 ; 104.687,157.832 117.4,157.832 117.4,151.105 ; 104.7,151.1 104.7,157.814 ; 107.25,155.695 107.287,155.732 109.7,155.732 ; 107.35,151.2 107.35,157.795 ; 109,42.8 109,72 113.5,76.5 116.5,76.5 120.5,76.5 122.83,78.83 127.327,78.83 129.657,76.5 139.5,76.5 142,79 158,79 ; 109.1,28.4 109.1,33.3 ; 109.75,151.2 109.75,157.695 ; 112.25,151.2 112.25,157.795 ; 114.5,28.5 114.5,33.4 ; 114.95,151.2 114.95,157.795 ; 115.55,30.6 118.45,30.6 ; 116.15,30.1 117.85,30.1 ; 116.75,29.5 117.25,29.5 ; 119.5,28.4 119.5,33.4 ; 124.9,28.4 124.9,33.4 ; 129.6,28.4 129.6,33.4 ; 130.75,30.6 133.65,30.6 ; 131.35,30.1 133.05,30.1 ; 131.95,29.5 132.45,29.5 ; 134.7,28.4 134.7,33.4 ; 140.1,28.4 140.1,33.3 ; 144.095,86 157.3,86 157.3,120.6 ; 144.095,86.095 144.095,88.723 ; 144.095,91.223 157.2,91.223 ; 144.095,98.8 157.3,98.8 ; 144.1,101.649 157.094,101.649 ; 144.1,106.649 157.094,106.649 ; 144.1,109.149 157.094,109.149 ; 144.1,111.649 157.094,111.649 ; 144.1,114.649 157.094,114.649 ; 144.195,93.923 157.2,93.923 ; 144.2,96.6 157.3,96.6 ; 144.2,104.149 157.094,104.149 ; 144.2,117.649 157.094,117.649 ; 153.3,153.3 153.4,153.4 ; 157.094,120.649 144.095,120.649 144.095,88.723 ; 157.3,88.723 144.095,88.723 ; 54.1,135.3 54.1,137.6 54.5,138 71.8,138 72.2,137.6 72.2,135.4 71.9,135.1 54.3,135.1 54.1,135.3 ; 70.3,115.4 81.3,115.4 81.3,130.6 81.2,130.7 70.3,130.7 70.3,115.4 ; 120.1,121.1 120.1,156.1 147.1,156.1 147.1,121.1 120.1,121.1
  text "CLK" at 108.996,154.249 h1 r90
  text "VCC" at 114.096,154.249 h1 r90
  text "GND" at 106.486,154.186 h1 r90
  text "DATA" at 111.396,153.749 h1 r90
  text "NRST" at 116.596,153.749 h1 r90
  text "GPS MODULE" at 126.854,148.854 h1.52
  text "NC" at 29.954,143.746 h1.2 r270
  text "DRUM" at 31.254,139.346 h1 r270
  text "SPD" at 29.254,139.146 h1.2 r270
  text "MODEM STATUS" at 59.854,135.954 h1
  text "GND" at 30.16,134.015 h1.2 r270
  text "DRUM" at 31.154,129.546 h1 r270
  text "DIR" at 29.354,129.246 h1.2 r270
  text "12V" at 31.095,124.124 h1.2 r270
  text "OUT" at 29.217,124.095 h1.2 r270
  text "SPM" at 30.06,119.015 h1.2 r270
  text "DRUM DIR" at 148.854,118.654 h1
  text "MODEM TEST" at 71.254,116.754 h1
  text "CASTING" at 149.278,115.602 h1
  text "GND" at 30.06,114.115 h1.2 r270
  text "DRILLING" at 148.878,112.802 h1
  text "MANUL" at 124.354,111.754 h1.8
  text "CEMENTING" at 148.354,109.854 h1
  text "OPTIDRILL" at 118.054,108.754 h1.8
  text "12V" at 30.995,108.624 h1.2 r270
  text "OUT" at 29.117,108.595 h1.2 r270
  text "LOGGING" at 149.254,107.454 h1
  text "PN 100722E" at 116.154,105.554 h1.8
  text "GRAVELING" at 148.454,104.854 h1
  text "SN 2210001E-_____" at 103.954,102.654 h1.8
  text "PILOT" at 150.154,102.454 h1
  text "WORK" at 150.52,99.72 h1
  text "MADE IN KAZAKHSTAN" at 101.854,99.454 h1.8
  text "GPS" at 150.654,97.254 h1
  text "SLAVE" at 150.19,94.793 h1
  text "MASTER" at 150.343,92.1 h1
  text "BATTERY" at 150.038,89.586 h1
  text "POWER" at 150.393,86.944 h1
  text "NC" at 30.154,86.646 h1.2 r270
  text "NC" at 30.156,80.767 h1.2 r270
  text "ISOLATED AREA" at 44,78.859 h1.52 r45
  text "RPM" at 30.06,75.915 h1.2 r270
  text "ISOLATED AREA" at 48.927,74.454 h1.52
  text "GND" at 30.16,70.815 h1.2 r270
  text "12V" at 31.095,65.924 h1.2 r270
  text "OUT" at 29.217,65.895 h1.2 r270
  text "12V" at 31.154,60.946 h1.2 r270
  text "OUT" at 29.277,60.917 h1.2 r270
  text "GND" at 30.254,56.146 h1.2 r270
  text "4-20" at 31.254,51.246 h1.2 r270
  text "mA" at 29.254,49.746 h1.2 r270
  text "ISOLATED AREA" at 151.546,47.927 h1.52 r90
  text "ISOLATED AREA" at 111.246,46.754 h1.52 r90
  text "COM" at 47.254,31.554 h1
  text "SLV" at 125.732,31.507 h1
  text "MAS" at 120.604,31.454 h1
  text "SLV" at 135.832,31.407 h1
  text "12V" at 105.154,31.354 h1.2
  text "MAS" at 110.304,31.354 h1
  text "COM" at 115.704,31.354 h1
  text "COM" at 130.904,31.354 h1
  text "PILOT" at 77.954,30.454 h0.8
  text "LOG" at 68.154,30.354 h1
  text "GRV" at 73.354,30.354 h1
  text "DRL" at 57.754,30.254 h1
  text "CMNT" at 62.554,30.254 h1
  text "CAS" at 52.554,30.154 h1
  text "1/0" at 83.054,30.054 h1.52
  text "GND" at 99.654,30.054 h1.2
  text "B" at 126.782,29.507 h1.2
  text "IN" at 105.654,29.454 h1.2
  text "A" at 121.654,29.454 h1.2
  text "A" at 136.882,29.407 h1.2
  text "B" at 111.354,29.354 h1.2
Bottom Overlay:
  circle w0.254: c33.3,33.4 r3.3
  circle w0.254: c153.3,33.4 r3.3
  circle w0.254: c153.4,153.4 r3.302
  circle w0.254: c33.3,153.4 r3.338